# Altium PCB FPGA1.PcbDoc (part 1 of 5)
Units mm, origin at the board's own origin, x right, y up, seen from the top; angles counter-clockwise.
Board outline 170.31 x 110.11 mm, 2 copper layers (Top Layer, Bottom Layer); 219 components, 292 nets, 1138 pads, 447 vias.
Unrouted connection lines stored in the file: 389.
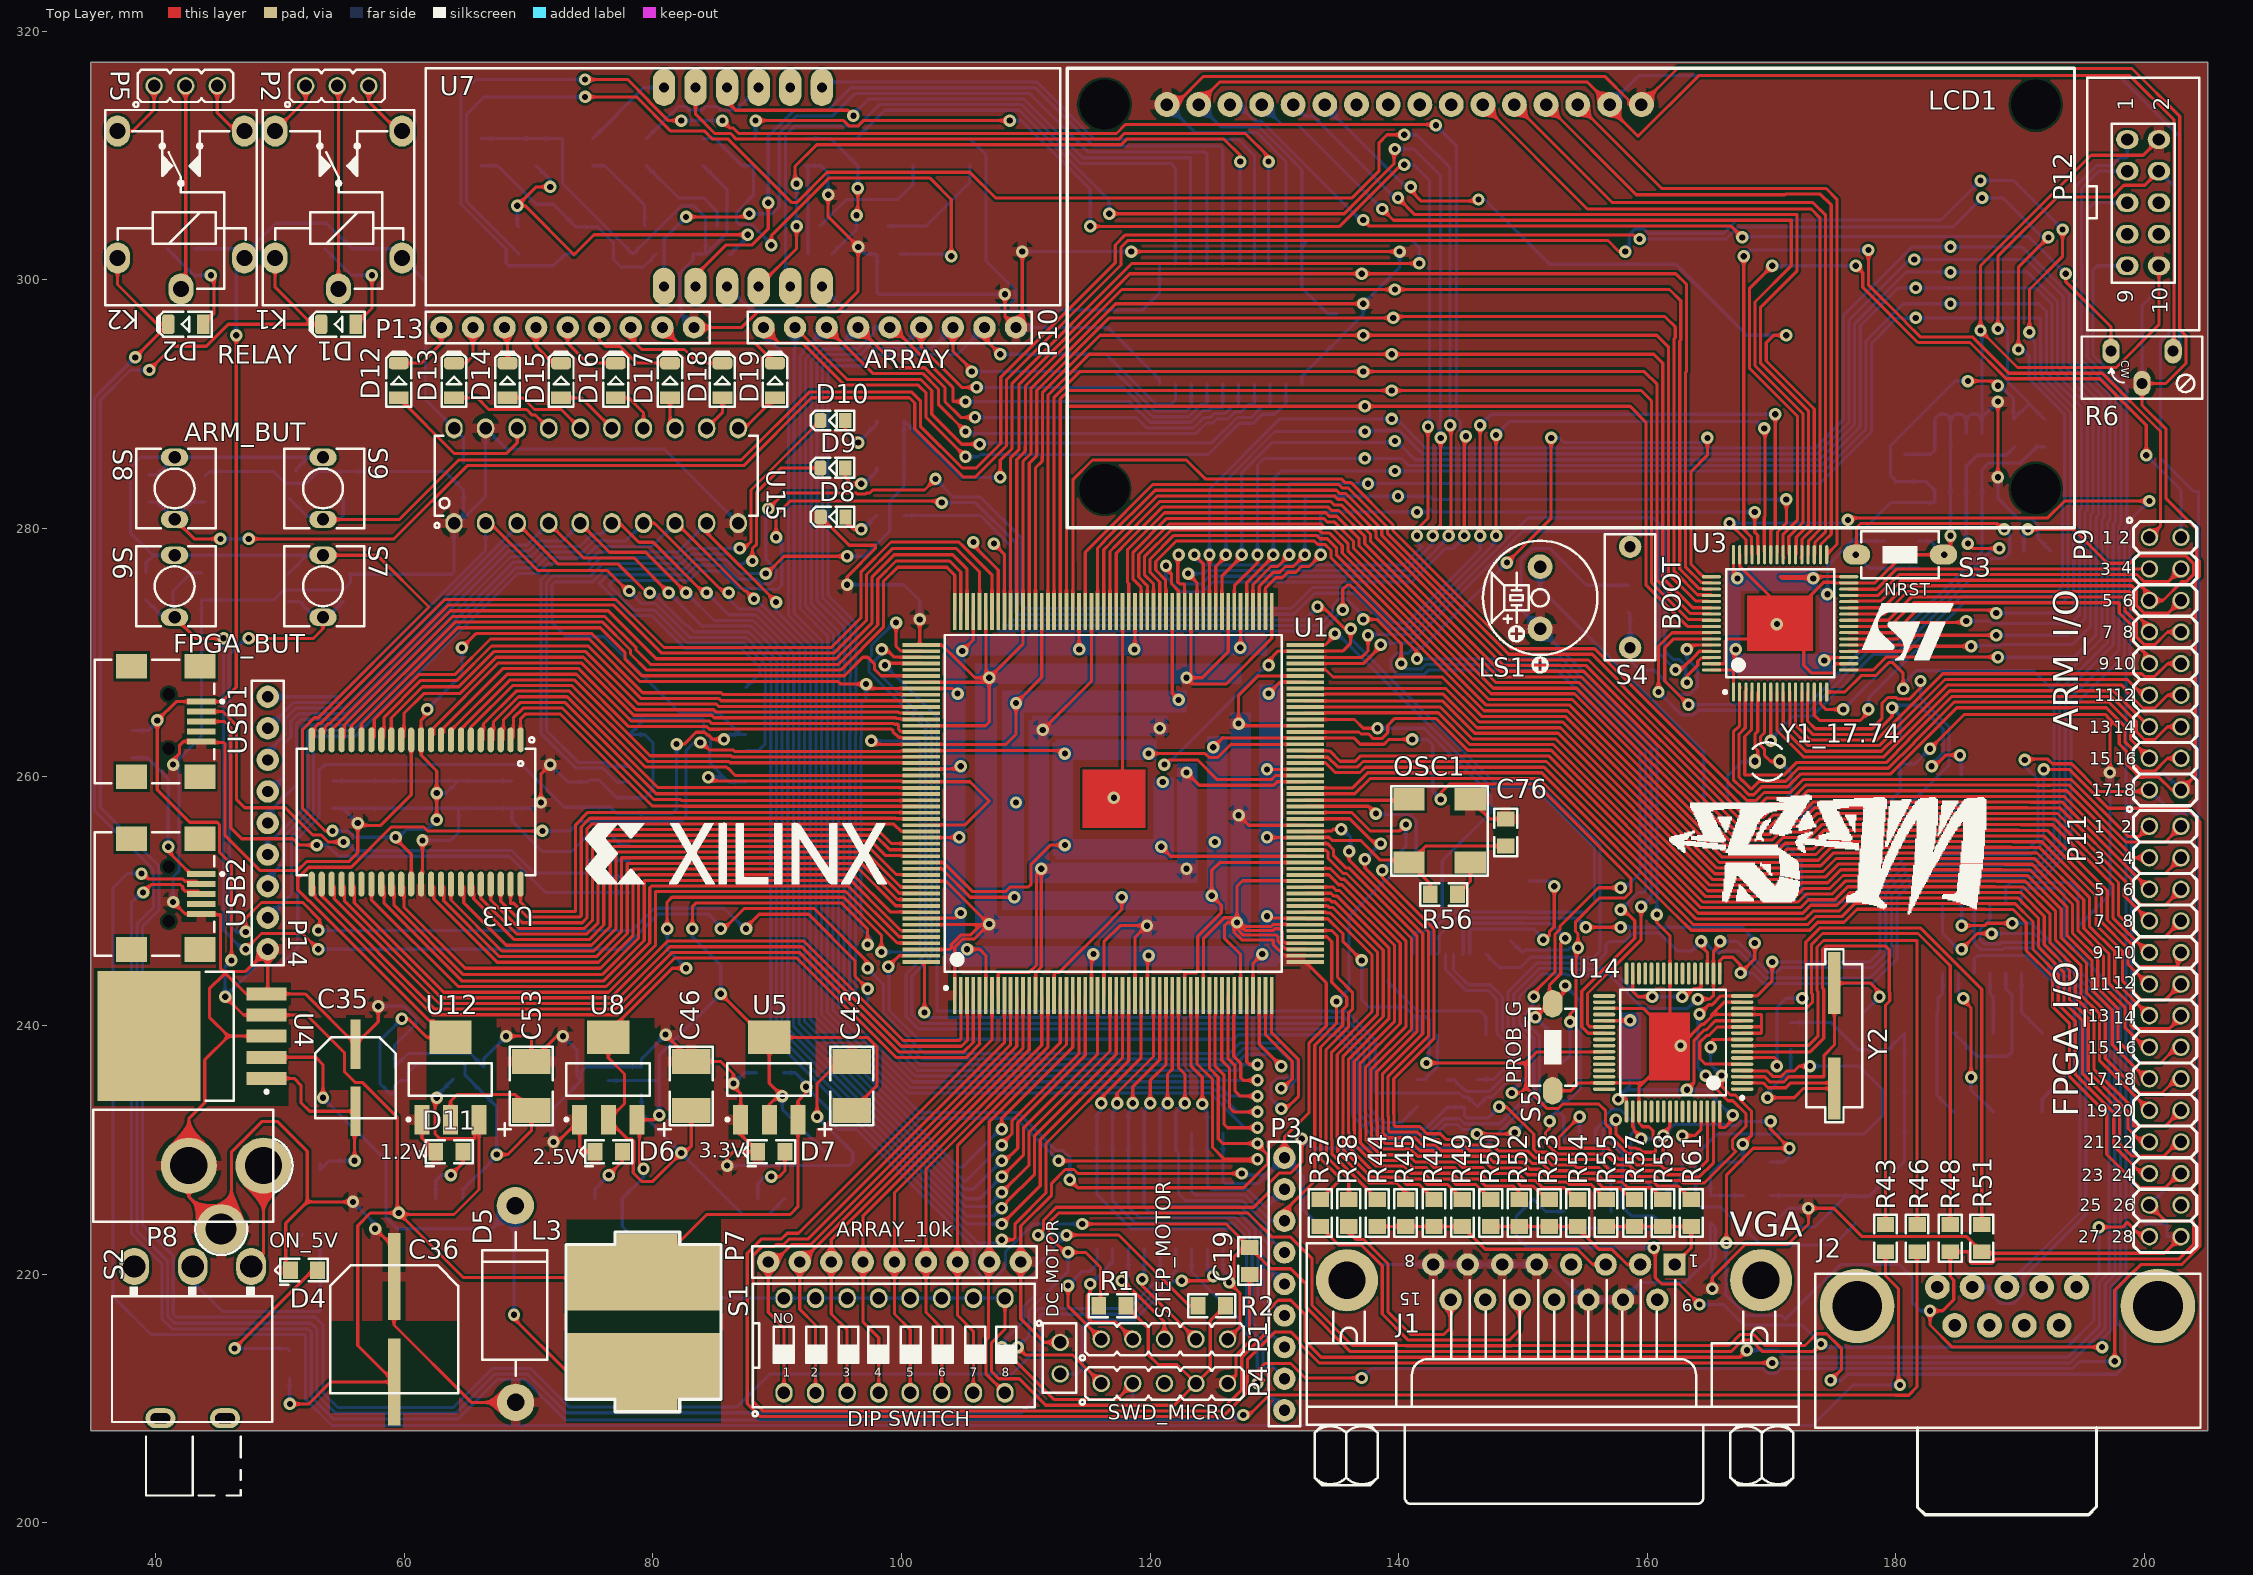
[diagram p0: Top Layer view]
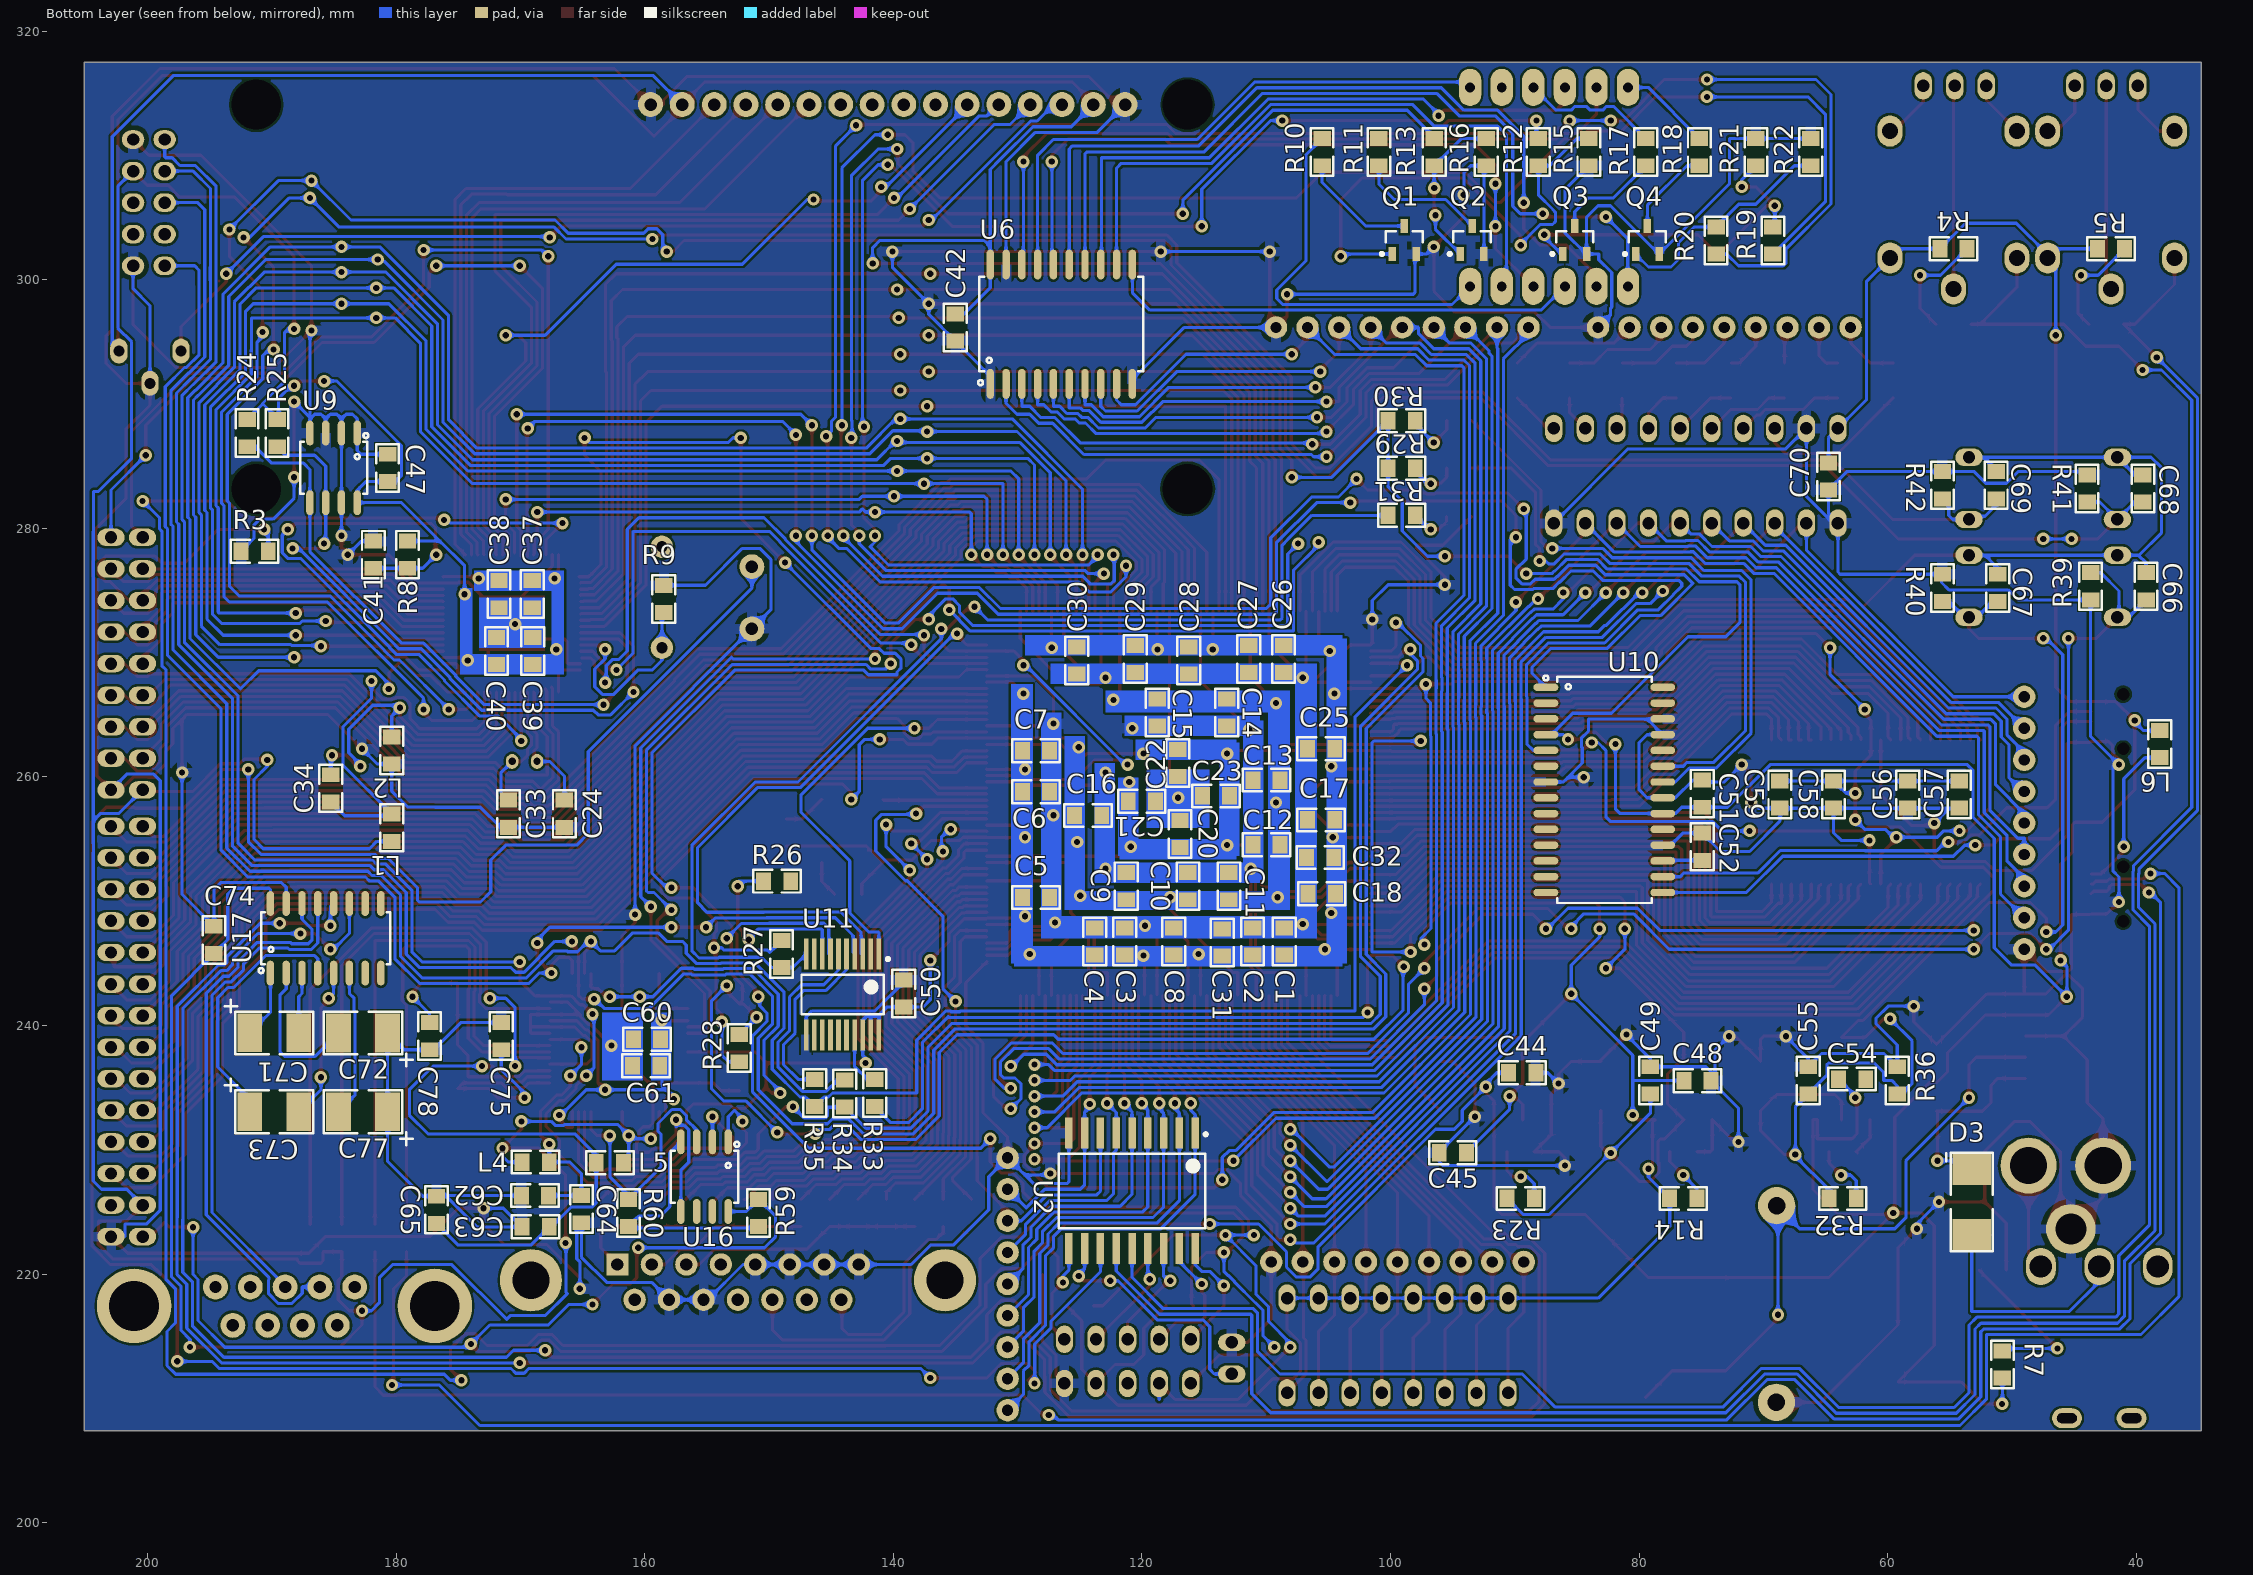
[diagram p1: Bottom Layer view, seen from below]

## Layer stack, top to bottom
Top Solder: solder mask 0.0102, Solder Resist, Dk 3.5
Top Layer: signal copper 0.0356
Dielectric 1: dielectric 0.32, FR-4, Dk 4.8
Bottom Layer: signal copper 0.0356
Bottom Solder: solder mask 0.0102, Solder Resist, Dk 3.5

## Board outline
34.798,207.391 205.105,207.391 205.105,317.5 34.798,317.5

## Design rules (kind name [scope] priority, off if disabled: settings)
Clearance Clearance_1 [All] p1: gap=0.2 ignorepadtopadclearanceinfootprint=FALSE
Clearance [All] p2: gap=0.2 ignorepadtopadclearanceinfootprint=FALSE
PolygonConnect [All] p1: connectstyle=Relief reliefconductorwidth=0.8 reliefentries=4 polygonreliefangle="90 Angle" airgapwidth=0.4
RoutingVias RoutingVias_1 [All] p1: holewidth=0.5 width=1 viastyle="Through Hole" minholewidth=0.5 minwidth=1 maxholewidth=0.5 maxwidth=1
RoutingVias [All] p2: holewidth=0.5 width=1 viastyle="Through Hole" minholewidth=0.5 minwidth=1 maxholewidth=0.5 maxwidth=1
SolderMaskExpansion [All] p1: expansion=0.102
Width [All] p1: maxlimit=0.254 minlimit=0.254 preferedwidth=0.254
30 further rules are at their usual default settings.

## Components (designator, comment, footprint, x,y, rotation, side; value= is the part's Value field where it differs from the comment)
C1 "Cap" SMD_805 108.585,246.761 r180 bottom value=100nF
C2 "Cap" SMD_805 111.125,246.761 r180 bottom value=100nF
C3 "Cap" SMD_805 121.412,246.761 r180 bottom value=100nF
C4 "Cap" SMD_805 123.825,246.761 r180 bottom value=100nF
C5 "Cap" SMD_805 128.524,250.317 r270 bottom value=100nF
C6 "Cap" SMD_805 128.524,258.826 r270 bottom value=100nF
C7 "Cap" SMD_805 128.524,262.128 r270 bottom value=100nF
C8 "Cap" SMD_805 117.475,246.761 r180 bottom value=100nF
C9 "Cap" SMD_805 121.285,251.206 r180 bottom value=100nF
C10 "Cap" SMD_805 116.332,251.206 r180 bottom value=100nF
C11 "Cap" SMD_805 113.03,251.206 r180 bottom value=100nF
C12 "Cap" SMD_805 109.982,254.508 r90 bottom value=100nF
C13 "Cap" SMD_805 109.982,259.715 r90 bottom value=100nF
C14 "Cap" SMD_805 113.157,265.176 r0 bottom value=100nF
C15 "Cap" SMD_805 118.745,265.176 r0 bottom value=100nF
C16 "Cap" SMD_805 124.333,256.921 r270 bottom value=100nF
C17 "Cap" SMD_805 105.588,256.515 r90 bottom value=100nF
C18 "Cap" SMD_805 105.537,250.571 r90 bottom value=100nF
C19 "Cap" SMD_805 128.041,221.056 r180 top value=100nF
C20 "Cap" SMD_805 116.967,255.397 r180 bottom value=100nF
C21 "Cap" SMD_805 120.015,258.064 r270 bottom value=100nF
C22 "Cap" SMD_805 117.094,261.112 r0 bottom value=100nF
C23 "Cap" SMD_805 114.046,258.445 r90 bottom value=100nF
C24 "Cap" SMD_805 166.446,257.034 r0 bottom value=18pF
C25 "Cap" SMD_805 105.588,262.23 r90 bottom value=100nF
C26 "Cap" SMD_805 108.585,269.494 r0 bottom value=100nF
C27 "Cap" SMD_805 111.379,269.494 r0 bottom value=100nF
C28 "Cap" SMD_805 116.205,269.367 r0 bottom value=100nF
C29 "Cap" SMD_805 120.523,269.494 r0 bottom value=100nF
C30 "Cap" SMD_805 125.222,269.367 r0 bottom value=100nF
C31 "Cap" SMD_805 113.563,246.685 r180 bottom value=100nF
C32 "Cap" SMD_805 105.664,253.492 r90 bottom value=100nF
C33 "Cap" SMD_805 170.942,257.034 r0 bottom value=18pF
C34 "Cap" SMD_805 185.293,259.08 r180 bottom value=100nF
C35 "Cap" C_CYL_SMD2 55.88,235.712 r90 top value=100nF
C36 "Cap" C_CYL_SMD 59.258,215.748 r90 top value=100uF
C37 "Cap" SMD_805 169.037,274.701 r0 bottom value=100nF
C38 "Cap" SMD_805 171.704,274.701 r0 bottom value=100nF
C39 "Cap" SMD_805 169.037,270.129 r180 bottom value=100nF
C40 "Cap" SMD_805 171.958,270.129 r180 bottom value=100nF
C41 "Cap" SMD_805 181.864,277.876 r180 bottom value=100nF
C42 "Cap" SMD_805 135.001,296.164 r0 bottom value=100nF
C43 "tantanium cap" C_B 96.012,235.204 r0 top value=100uF
C44 "Cap" SMD_805 89.408,236.22 r270 bottom value=100nF
C45 "Cap" SMD_805 94.996,229.743 r90 bottom value=100nF
C46 "tantanium cap" C_B 83.097,235.204 r0 top value=100uF
C47 "Cap" SMD_805 180.721,284.861 r180 bottom value=100pF
C48 "Cap" SMD_805 75.311,235.585 r270 bottom value=100nF
C49 "Cap" SMD_805 79.121,235.585 r180 bottom value=100nF
C50 "Cap" SMD_805 139.192,242.57 r180 bottom value=100nF
C51 "Cap" SMD_805 74.955,258.648 r180 bottom value=100nF
C52 "Cap" SMD_805 74.955,254.381 r180 bottom value=100nF
C53 "tantanium cap" C_B 70.231,235.204 r0 top value=100uF
C54 "Cap" SMD_805 62.865,235.712 r270 bottom value=100nF
C55 "Cap" SMD_805 66.421,235.585 r180 bottom value=100nF
C56 "Cap" SMD_805 58.369,258.572 r0 bottom value=100pF
C57 "Cap" SMD_805 54.229,258.572 r0 bottom value=100pF
C58 "Cap" SMD_805 64.389,258.572 r180 bottom value=100pF
C59 "Cap" SMD_805 68.707,258.572 r180 bottom value=100pF
C60 "Cap" SMD_805 159.817,238.862 r90 bottom value=4.7uF
C61 "Cap" SMD_805 159.893,236.728 r90 bottom value=100nF
C62 "Cap" SMD_805 168.834,226.289 r90 bottom value=100nF
C63 "Cap" SMD_805 168.783,223.774 r90 bottom value=100nF
C64 "Cap" SMD_805 165.075,225.222 r0 bottom value=100nF
C65 "Cap" SMD_805 176.784,225.171 r180 bottom value=100nF
C66 "Cap" SMD_805 39.243,275.336 r180 bottom value=100nF
C67 "Cap" SMD_805 51.181,275.209 r180 bottom value=100nF
C68 "Cap" SMD_805 39.497,283.21 r180 bottom value=100nF
C69 "Cap" SMD_805 51.308,283.464 r180 bottom value=100nF
C70 "Cap" SMD_805 64.795,284.175 r180 bottom value=100nF
C71 "Cap Pol2" C_B 189.738,239.395 r270 bottom value=1uF
C72 "Cap Pol2" C_B 182.753,239.395 r90 bottom value=1uF
C73 "Cap Pol2" C_B 189.738,233.045 r270 bottom value=1uF
C74 "Cap" SMD_805 194.691,246.888 r180 bottom value=100pF
C75 "Cap" SMD_805 171.577,239.141 r180 bottom value=10pF
C76 "Cap" SMD_805 148.59,255.524 r0 top value=100nF
C77 "Cap Pol2" C_B 182.753,233.045 r90 bottom value=1uF
C78 "Cap" SMD_805 177.292,239.141 r0 bottom value=10pF
D1 "LED0" LED1206GRN 54.717,296.418 r180 top
D2 "LED0" LED1206GRN 42.421,296.418 r180 top
D3 "1N4001" TVS 53.213,225.806 r180 bottom
D4 "LED1" Led0805 51.943,220.345 r270 top
D5 "Diode 11DQ03" 1N5822 67.691,225.882 r270 top
D6 "LED1" Led0805 76.454,229.87 r270 top
D7 "LED1" Led0805 89.535,229.87 r270 top
D8 "LED0" LED0805GRN 94.504,280.924 r180 top
D9 "LED0" LED0805GRN 94.488,284.861 r180 top
D10 "LED0" LED0805GRN 94.488,288.671 r180 top
D11 "LED1" Led0805 63.627,229.87 r270 top
D12 "LED0" LED1206RED 59.563,291.889 r90 top
D13 "LED0" LED1206RED 64.008,291.889 r90 top
D14 "LED0" LED1206RED 68.308,291.889 r90 top
D15 "LED0" LED1206RED 72.619,291.889 r90 top
D16 "LED0" LED1206RED 77.021,291.889 r90 top
D17 "LED0" LED1206RED 81.385,291.889 r90 top
D18 "LED0" LED1206RED 85.598,291.889 r90 top
D19 "LED0" LED1206RED 89.832,291.889 r90 top
DC_MOTOR "DC MOTOR" HDR_F_1X2 112.776,213.233 r270 top (schematic designator P6)
J1 "Connector 15" DSUB_15RF 152.506,219.502 r180 top
J2 "D Connector 9" COM_3d 186.69,210.312 r0 top
K1 "Relay" REL_SPDT_5_1512 54.717,301.752 r180 top
K2 "Relay" REL_SPDT_5_1512 42.037,301.752 r180 top
L1 "Inductor" smd_805 180.34,255.905 r0 bottom value=10uH
L2 "Inductor" smd_805 180.34,262.128 r0 bottom value=10uH
L3 "Inductor" INDUC_SMD 78.994,216.154 r90 top value=100mH-3A
L4 "Ferrit Bead-10uH" smd_805 168.783,228.981 r90 bottom
L5 "Ferrit Bead-10uH" smd_805 162.814,228.981 r270 bottom
L6 "Ferrit Bead-10uH" smd_805 38.1,262.636 r0 bottom
LCD1 "LCD" LCD2x16_3d 169.912,299.365 r0 top
LS1 "Speaker" BZ_C9 151.384,274.407 r90 top
OSC1 "OSC_SMD" OSC_SMD 147.167,252.044 r90 top
P1 "STEP MOTOR" HDR_M_1X5 121.158,214.757 r0 top
P2 "RELAY1" HDR_M_1X3 54.61,315.595 r0 top
P3 "Array_res(Header 9)" "Aray 9" 130.81,216.027 r180 top
P4 "SWD Micro" HDR_M_1X5 121.158,211.201 r0 top
P5 "RELAY2" HDR_M_1X3 42.418,315.595 r0 top
P7 "ARRAY 10K" "Aray 9" 96.266,220.98 r90 top
P8 "Header 2" ADAP_JACK 34.972,224.227 r0 top
P9 "Header 9X2" HDR_M_2X9 201.676,269.113 r270 top
P10 "Header 9" "Aray 9" 95.885,296.164 r90 top
P11 "Header 14X2" HDR_M_2X14 201.676,239.522 r270 top
P12 "Header 5X2" BOX2x5 199.875,306.069 r180 top
P13 "1k" "Aray 9" 69.977,296.164 r90 top
P14 "10k" "Aray 9" 49.022,259.461 r0 top
Q1 "BC817 (NPN)" SOT-23 98.933,303.149 r180 bottom
Q2 "BC817 (NPN)" SOT-23 93.472,303.149 r180 bottom
Q3 "BC817 (NPN)" SOT-23 85.217,303.149 r180 bottom
Q4 "BC817 (NPN)" SOT-23 79.375,303.149 r180 bottom
R1 "Res1" SMD_805 116.967,217.424 r90 top value=10K
R2 "Res1" SMD_805 124.968,217.424 r90 top value=10K
R3 "Res1" SMD_805 191.389,278.13 r90 bottom value=1K
R4 "Res1" SMD_805 54.717,302.514 r270 bottom value=1K
R5 "Res1" SMD_805 42.037,302.514 r270 bottom value=1K
R6 "RPot" POT_3296Y 199.811,292.959 r180 top value=1K
R7 "Res1" SMD_805 50.8,212.725 r180 bottom value=1.5K
R8 "Res1" SMD_805 179.07,277.876 r0 bottom value=10K
R9 "Res1" SMD_805 158.496,274.32 r180 bottom value=10K
R10 "Res1" SMD_805 105.537,310.261 r180 bottom value=220
R11 "Res1" SMD_805 100.965,310.261 r180 bottom value=220
R12 "Res1" SMD_805 88.138,310.261 r180 bottom value=1K
R13 "Res1" SMD_805 96.52,310.261 r180 bottom value=1K
R14 "Res1" SMD_805 76.454,226.112 r270 bottom value=1.5K
R15 "Res1" SMD_805 84.074,310.261 r180 bottom value=10K
R16 "Res1" SMD_805 92.329,310.261 r180 bottom value=10K
R17 "Res1" SMD_805 79.502,310.261 r180 bottom value=220
R18 "Res1" SMD_805 75.184,310.261 r180 bottom value=220
R19 "Res1" SMD_805 69.215,303.149 r0 bottom value=1K
R20 "Res1" SMD_805 73.787,303.149 r0 bottom value=1K
R21 "Res1" SMD_805 70.587,310.261 r0 bottom value=10K
R22 "Res1" SMD_805 66.167,310.261 r0 bottom value=10K
R23 "Res1" SMD_805 89.535,226.112 r270 bottom value=1.5K
R24 "Res1" SMD_805 192.024,287.655 r180 bottom value=4.7K
R25 "Res1" SMD_805 189.611,287.655 r180 bottom value=4.7K
R26 "Res1" SMD_805 149.352,251.587 r90 bottom value=4.7K
R27 "Res1" SMD_805 148.971,245.745 r0 bottom value=4.7K
R28 "Res1" SMD_805 152.425,238.176 r180 bottom value=4.7K
R29 "Res1" SMD_805 99.107,284.861 r270 bottom value=270
R30 "Res1" SMD_805 99.107,288.671 r270 bottom value=270
R31 "Res1" SMD_805 99.107,281.015 r90 bottom value=100
R32 "Res1" SMD_805 63.627,226.112 r270 bottom value=1.5K
R33 "Res1" SMD_805 141.529,234.569 r180 bottom value=100
R34 "Res1" SMD_805 143.942,234.518 r180 bottom value=100
R35 "Res1" SMD_805 146.355,234.569 r180 bottom value=100
R36 "Res1" SMD_805 59.258,235.585 r180 bottom value=100
R37 "" SMD_805 133.731,224.917 r180 top value=1K
R38 "" SMD_805 136.017,224.917 r180 top value=1K
R39 "Res1" SMD_805 43.661,275.336 r0 bottom value=2.2K
R40 "Res1" SMD_805 55.626,275.209 r180 bottom value=2.2K
R41 "Res1" SMD_805 43.993,283.21 r180 bottom value=2.2K
R42 "Res1" SMD_805 55.626,283.464 r180 bottom value=2.2K
R43 "Res1" SMD_805 179.197,222.885 r180 top value=27
R44 "" SMD_805 138.303,224.917 r180 top value=510
R45 "" SMD_805 140.589,224.917 r180 top value=1K
R46 "Res1" SMD_805 181.737,222.885 r180 top value=27
R47 "" SMD_805 142.875,224.917 r180 top value=2K
R48 "Res1" SMD_805 184.404,222.885 r180 top value=1K
R49 "" SMD_805 145.161,224.917 r180 top value=1K
R50 "" SMD_805 147.447,224.917 r180 top value=510
R51 "Res1" SMD_805 186.944,222.885 r180 top value=1K
R52 "" SMD_805 149.733,224.917 r180 top value=1K
R53 "" SMD_805 152.146,224.917 r180 top value=2K
R54 "" SMD_805 154.432,224.917 r180 top value=1K
R55 "" SMD_805 156.718,224.917 r180 top value=510
R56 "Res1" SMD_805 143.637,250.571 r270 top value=10K
R57 "" SMD_805 159.004,224.917 r180 top value=1K
R58 "" SMD_805 161.29,224.917 r180 top value=2K
R59 "Res1" SMD_805 150.876,224.917 r180 bottom value=10K
R60 "Res1" SMD_805 161.29,224.917 r0 bottom value=2K
R61 "" SMD_805 163.576,224.917 r180 top value=1K
S1 "SW DIP-8" DIPSW254_8 99.441,214.249 r90 top
S2 "SW-SPST" SWTOG_SPDT_R_7101MD9 42.986,220.607 r180 top
S3 "SW-PB" SWPBS_SPST_6X3X2 180.34,277.876 r180 top
S4 "SW-SPST" KEY1 158.623,274.32 r270 top
S5 "SW-PB" SWPBS_SPST_6X3X2 152.4,238.252 r270 top
S6 "SW-PB" SWPBT_SPST_6X6X5 41.529,275.336 r90 top
S7 "SW-PB" SWPBT_SPST_6X6X5 53.467,275.336 r90 top
S8 "SW-PB" SWPBT_SPST_6X6X5 41.529,283.21 r90 top
S9 "SW-PB" SWPBT_SPST_6X6X5 53.467,283.21 r90 top
U1 "XC3S400-4PQ208C" XC3S400_PQ208 117.171,258.043 r90 top
U2 "ULN2803A" SOL18 120.777,226.695 r270 bottom
U3 "STM32F103RBT6" LQFP64_L 170.692,272.351 r90 top
U4 "LM2576HVT-3.3" LM2576_SMD 39.878,239.14 r90 top
U5 "LD1117DT33" SOT223 89.408,235.712 r0 top
U6 "M74HC541B1R" SO_20_W 126.492,296.418 r90 bottom
U7 "7_Seg_MUX" S7_MUX 87.249,308.356 r0 top
U8 "LD1117DT33" SOT223 76.454,235.712 r0 top
U9 "24C512" SO_8 185.039,284.861 r270 bottom
U10 "FT232RL" SO_28_W 82.804,258.953 r180 bottom
U11 "XCF02SVO20C" XCF02S 144.018,242.443 r270 bottom
U12 "LD1117DT33" SOT223 63.754,235.712 r0 top
U13 "IS61LV25616AL" SOG80_44 60.96,257.175 r270 top
U14 "FT2232HL-Reel" LQFP-64_N 162.09,238.629 r180 top
U15 "M74HC541B1R" DIP_20 75.438,284.226 r90 top
U16 "93LC46A-E/SN" SO_8 155.194,227.838 r270 bottom
U17 "MAX3232CPE" SO_16 185.674,247.015 r90 bottom
USB1 "MICRO_USB" MINI_USB_NEW 41.035,264.587 r90 top
USB2 "MICRO_USB" MINI_USB_NEW 41.035,250.708 r90 top
Y1_17.74 "17.7456" XTLT_RTC_ST 169.672,261.239 r180 top (schematic designator Y1)
Y2 "12M" XTAL_SMD 175.006,239.141 r90 top

## Footprints (in the part's own frame and the unit in brackets; to place one, negate y for a bottom-side part, rotate by r counter-clockwise, add the part's x,y. Pads: shape width x height; smd on the part's side, far side on the other; paste and mask are expansions set on the pad)
1N5822 [mm]
  round 3 hole 1.4: 1(16.205,1.27) 2(0.381,1.245)
  silkscreen extent 2.51,-1.4 14.05,3.81, body extent -0.13,-1.5 16.72,3.89, height 5.33